# Altium PCB controller_V1.1.PcbDoc (part 5 of 7)
Units mil, origin at the board's own origin, x right, y up, seen from the top; angles counter-clockwise.
Board outline 9606 x 5905.51 mil, 2 copper layers (Top Layer, Bottom Layer); 439 components, 370 nets, 1496 pads, 8411 vias.
Unrouted connection lines stored in the file: 1.
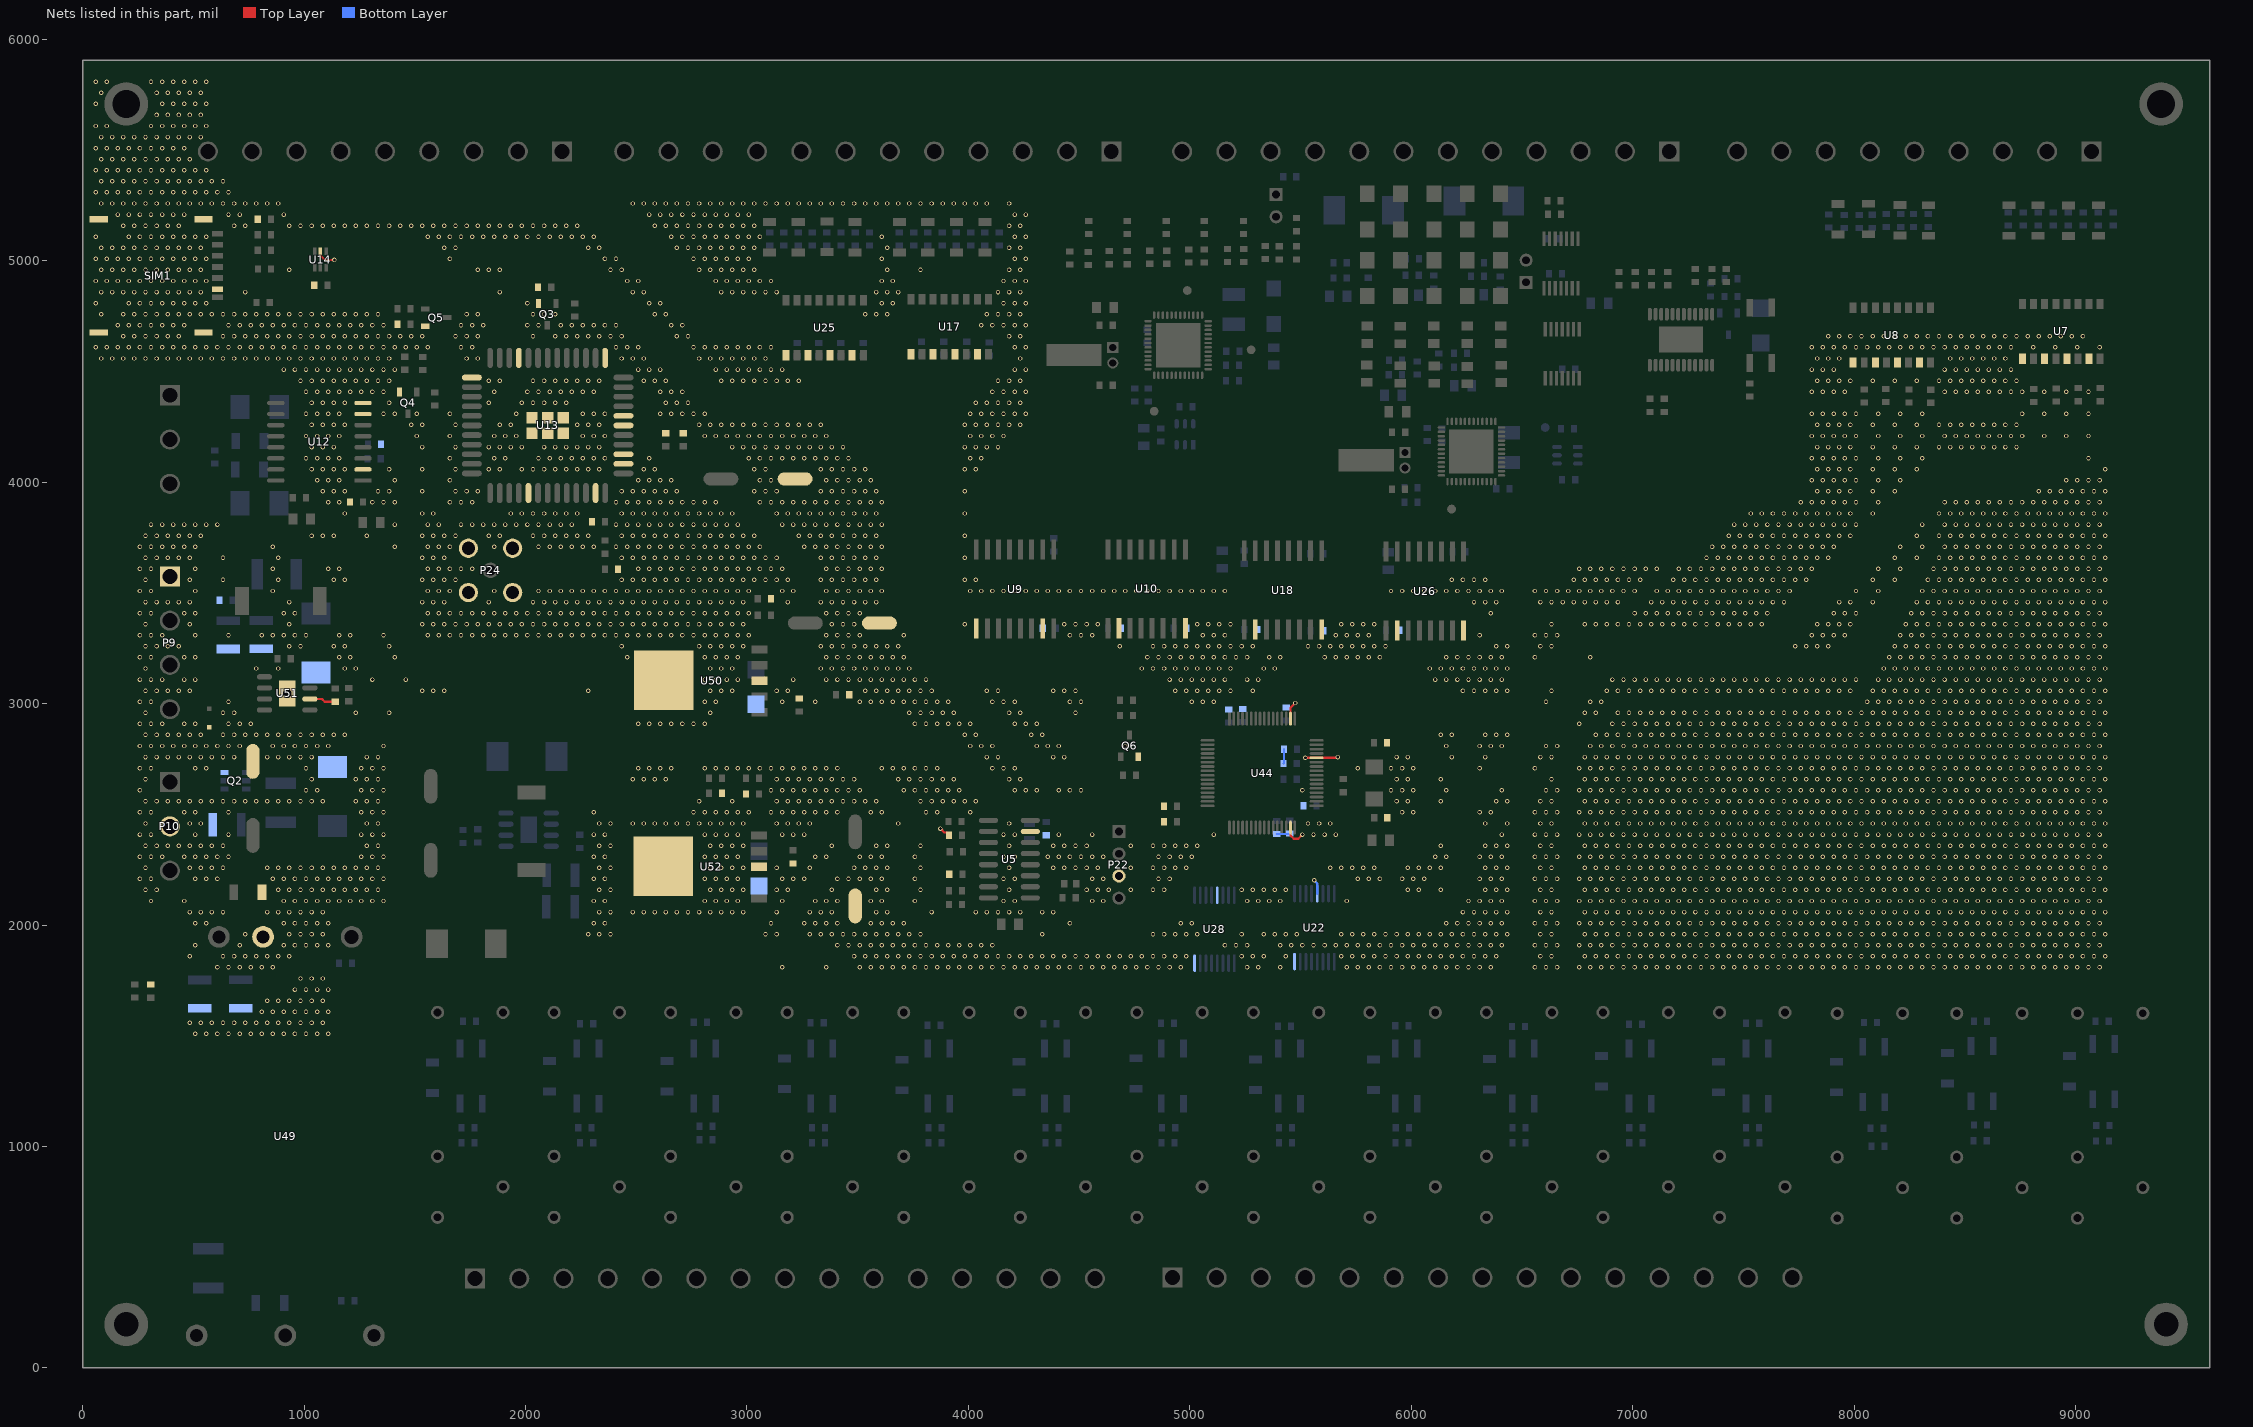
[diagram p5: the nets of this part, all layers, seen from the top]

## Via types
v1: diameter 20, hole 12, Top Layer to Bottom Layer, tented both sides, 8291 vias
v2: diameter 23.62, hole 11.81, Top Layer to Bottom Layer, 50 vias
v3: diameter 40, hole 25, Top Layer to Bottom Layer, tented both sides, 48 vias
v4: diameter 30, hole 20, Top Layer to Bottom Layer, tented both sides, 16 vias
v5: diameter 60, hole 40, Top Layer to Bottom Layer, tented both sides, 4 vias
v6: diameter 59.06, hole 39.37, Top Layer to Bottom Layer, 2 vias

## Nets (pads, with @x,y where several pads share a name; then routed paths per layer and width w, separated by ;. In a path a pad name is that pad's centre, name@x,y a point inside that pad or via, vN(x,y) a via of type N, cw(c..) or ccw(c..) an arc to the next point about the centre after c; other vN are vias at no path point) (continued)
GND: (continued)
  other v1: 508.75,1509 558.75,1509 608.75,1509 658.75,1509 708.75,1509 758.75,1509 808.75,1509 858.75,1509 908.75,1509 958.75,1509 1008.75,1509 1058.75,1509 1108.75,1509 483.75,1559 533.75,1559 583.75,1559 633.75,1559 683.75,1559 733.75,1559 783.75,1559 833.75,1559 883.75,1559 933.75,1559 983.75,1559 1033.75,1559 1083.75,1559 808.75,1609 858.75,1609 908.75,1609 958.75,1609 1008.75,1609 1058.75,1609 1108.75,1609 833.75,1659 883.75,1659 933.75,1659 983.75,1659 1033.75,1659 1083.75,1659 958.75,1709 1008.75,1709 1058.75,1709 1108.75,1709 983.75,1759 1033.75,1759 1083.75,1759 608.75,1809 658.75,1809 708.75,1809 758.75,1809 808.75,1809 858.75,1809 3158.75,1809 3358.75,1809 3508.75,1809 3558.75,1809 3608.75,1809 3658.75,1809 3708.75,1809 3758.75,1809 3808.75,1809 3858.75,1809 3908.75,1809 3958.75,1809 4008.75,1809 4058.75,1809 4108.75,1809 4158.75,1809 4208.75,1809 4258.75,1809 4308.75,1809 4358.75,1809 4408.75,1809 4458.75,1809 4508.75,1809 4558.75,1809 4608.75,1809 4658.75,1809 4708.75,1809 4758.75,1809 4808.75,1809 4858.75,1809 4908.75,1809 4958.75,1809 5258.75,1809 5308.75,1809 5408.75,1809 5708.75,1809 5758.75,1809 5808.75,1809 5858.75,1809 5908.75,1809 5958.75,1809 6008.75,1809 6058.75,1809 6108.75,1809 6158.75,1809 6208.75,1809 6258.75,1809 6308.75,1809 6358.75,1809 6558.75,1809 6608.75,1809 6658.75,1809 6758.75,1809 6808.75,1809 6858.75,1809 6908.75,1809 6958.75,1809 7008.75,1809 7058.75,1809 7108.75,1809 7158.75,1809 7208.75,1809 7258.75,1809 7308.75,1809 7358.75,1809 7408.75,1809 7458.75,1809 7508.75,1809 7558.75,1809 7608.75,1809 7658.75,1809 7708.75,1809 7758.75,1809 7808.75,1809 7858.75,1809 7908.75,1809 7958.75,1809 8008.75,1809 8058.75,1809 8108.75,1809 8158.75,1809 8208.75,1809 8258.75,1809 8308.75,1809 8358.75,1809 8408.75,1809 8458.75,1809 8508.75,1809 8558.75,1809 8608.75,1809 8658.75,1809 8708.75,1809 8758.75,1809 8808.75,1809 8858.75,1809 8908.75,1809 8958.75,1809 9008.75,1809 9058.75,1809 9108.75,1809 483.75,1859 633.75,1859 683.75,1859 733.75,1859 783.75,1859 833.75,1859 883.75,1859 933.75,1859 3483.75,1859 3533.75,1859 3583.75,1859 3633.75,1859 3683.75,1859 3733.75,1859 3783.75,1859 3833.75,1859 3883.75,1859 3933.75,1859 3983.75,1859 4033.75,1859 4083.75,1859 4133.75,1859 4183.75,1859 4233.75,1859 4283.75,1859 4333.75,1859 4383.75,1859 4433.75,1859 4483.75,1859 4533.75,1859 4583.75,1859 4633.75,1859 4683.75,1859 4733.75,1859 4783.75,1859 4833.75,1859 4883.75,1859 4933.75,1859 4983.75,1859 5233.75,1859 5283.75,1859 5333.75,1859 5433.75,1859 5683.75,1859 5733.75,1859 5783.75,1859 5833.75,1859 5883.75,1859 5933.75,1859 5983.75,1859 6033.75,1859 6083.75,1859 6133.75,1859 6183.75,1859 6233.75,1859 6283.75,1859 6333.75,1859 6383.75,1859 6583.75,1859 6633.75,1859 6783.75,1859 6833.75,1859 6883.75,1859 6933.75,1859 6983.75,1859 7033.75,1859 7083.75,1859 7133.75,1859 7183.75,1859 7233.75,1859 7283.75,1859 7333.75,1859 7383.75,1859 7433.75,1859 7483.75,1859 7533.75,1859 7583.75,1859 7633.75,1859 7683.75,1859 7733.75,1859 7783.75,1859 7833.75,1859 7883.75,1859 7933.75,1859 7983.75,1859 8033.75,1859 8083.75,1859 8133.75,1859 8183.75,1859 8233.75,1859 8283.75,1859 8333.75,1859 8383.75,1859 8433.75,1859 8483.75,1859 8533.75,1859 8583.75,1859 8633.75,1859 8683.75,1859 8733.75,1859 8783.75,1859 8833.75,1859 8883.75,1859 8933.75,1859 8983.75,1859 9033.75,1859 9083.75,1859 9133.75,1859 508.75,1909 708.75,1909 908.75,1909 958.75,1909 1008.75,1909 1058.75,1909 1108.75,1909 3408.75,1909 3458.75,1909 3508.75,1909 3558.75,1909 3608.75,1909 3658.75,1909 3708.75,1909 3758.75,1909 3808.75,1909 3858.75,1909 3908.75,1909 3958.75,1909 4008.75,1909 4058.75,1909 4108.75,1909 5158.75,1909 5208.75,1909 5258.75,1909 5408.75,1909 5458.75,1909 5508.75,1909 5558.75,1909 5608.75,1909 5658.75,1909 5708.75,1909 5758.75,1909 5808.75,1909 5858.75,1909 5908.75,1909 5958.75,1909 6008.75,1909 6058.75,1909 6108.75,1909 6158.75,1909 6208.75,1909 6258.75,1909 6308.75,1909 6358.75,1909 6408.75,1909 6558.75,1909 6608.75,1909 6658.75,1909 6758.75,1909 6808.75,1909 6858.75,1909 6908.75,1909 6958.75,1909 7008.75,1909 7058.75,1909 7108.75,1909 7158.75,1909 7208.75,1909 7258.75,1909 7308.75,1909 7358.75,1909 7408.75,1909 7458.75,1909 7508.75,1909 7558.75,1909 7608.75,1909 7658.75,1909 7708.75,1909 7758.75,1909 7808.75,1909 7858.75,1909 7908.75,1909 7958.75,1909 8008.75,1909 8058.75,1909 8108.75,1909 8158.75,1909 8208.75,1909 8258.75,1909 8308.75,1909 8358.75,1909 8408.75,1909 8458.75,1909 8508.75,1909 8558.75,1909 8608.75,1909 8658.75,1909 8708.75,1909 8758.75,1909 8808.75,1909 8858.75,1909 8908.75,1909 8958.75,1909 9008.75,1909 9058.75,1909 9108.75,1909 733.75,1959 933.75,1959 983.75,1959 1033.75,1959 1083.75,1959 2283.75,1959 2333.75,1959 2383.75,1959 3083.75,1959 3133.75,1959 3283.75,1959 3333.75,1959 3383.75,1959 3433.75,1959 3483.75,1959 3533.75,1959 3583.75,1959 3633.75,1959 3683.75,1959 3733.75,1959 3783.75,1959 4333.75,1959 4833.75,1959 4883.75,1959 4933.75,1959 4983.75,1959 5033.75,1959 5233.75,1959 5333.75,1959 5383.75,1959 5433.75,1959 5483.75,1959 5683.75,1959 5733.75,1959 5783.75,1959 5833.75,1959 5883.75,1959 5933.75,1959 5983.75,1959 6033.75,1959 6083.75,1959 6133.75,1959 6183.75,1959 6233.75,1959 6283.75,1959 6333.75,1959 6383.75,1959 6433.75,1959 6583.75,1959 6633.75,1959 6783.75,1959 6833.75,1959 6883.75,1959 6933.75,1959 6983.75,1959 7033.75,1959 7083.75,1959 7133.75,1959 7183.75,1959 7233.75,1959 7283.75,1959 7333.75,1959 7383.75,1959 7433.75,1959 7483.75,1959 7533.75,1959 7583.75,1959 7633.75,1959 7683.75,1959 7733.75,1959 7783.75,1959 7833.75,1959 7883.75,1959 7933.75,1959 7983.75,1959 8033.75,1959 8083.75,1959 8133.75,1959 8183.75,1959 8233.75,1959 8283.75,1959 8333.75,1959 8383.75,1959 8433.75,1959 8483.75,1959 8533.75,1959 8583.75,1959 8633.75,1959 8683.75,1959 8733.75,1959 8783.75,1959 8833.75,1959 8883.75,1959 8933.75,1959 8983.75,1959 9033.75,1959 9083.75,1959 9133.75,1959 508.75,2009 558.75,2009 908.75,2009 958.75,2009 1008.75,2009 1058.75,2009 1108.75,2009 2308.75,2009 2358.75,2009 3108.75,2009 3258.75,2009 3308.75,2009 3358.75,2009 3408.75,2009 3558.75,2009 3608.75,2009 3658.75,2009 3708.75,2009 4458.75,2009 4958.75,2009 5008.75,2009 6158.75,2009 6208.75,2009 6258.75,2009 6308.75,2009 6358.75,2009 6408.75,2009 6558.75,2009 6608.75,2009 6658.75,2009 6758.75,2009 6808.75,2009 6858.75,2009 6908.75,2009 6958.75,2009 7008.75,2009 7058.75,2009 7108.75,2009 7158.75,2009 7208.75,2009 7258.75,2009 7308.75,2009 7358.75,2009 7408.75,2009 7458.75,2009 7508.75,2009 7558.75,2009 7608.75,2009 7658.75,2009 7708.75,2009 7758.75,2009 7808.75,2009 7858.75,2009 7908.75,2009 7958.75,2009 8008.75,2009 8058.75,2009 8108.75,2009 8158.75,2009 8208.75,2009 8258.75,2009 8308.75,2009 8358.75,2009 8408.75,2009 8458.75,2009 8508.75,2009 8558.75,2009 8608.75,2009 8658.75,2009 8708.75,2009 8758.75,2009 8808.75,2009 8858.75,2009 8908.75,2009 8958.75,2009 9008.75,2009 9058.75,2009 9108.75,2009 483.75,2059 533.75,2059 583.75,2059 633.75,2059 833.75,2059 883.75,2059 933.75,2059 983.75,2059 1033.75,2059 1083.75,2059 2333.75,2059 2383.75,2059 2483.75,2059 2533.75,2059 2583.75,2059 2633.75,2059 2683.75,2059 2733.75,2059 2783.75,2059 2833.75,2059 2883.75,2059 2933.75,2059 2983.75,2059 3133.75,2059 3283.75,2059 3333.75,2059 3383.75,2059 3583.75,2059 3633.75,2059 3833.75,2059 4033.75,2059 4083.75,2059 4133.75,2059 4183.75,2059 4233.75,2059 4333.75,2059 4383.75,2059 6233.75,2059 6283.75,2059 6333.75,2059 6383.75,2059 6433.75,2059 6583.75,2059 6633.75,2059 6783.75,2059 6833.75,2059 6883.75,2059 6933.75,2059 6983.75,2059 7033.75,2059 7083.75,2059 7133.75,2059 7183.75,2059 7233.75,2059 7283.75,2059 7333.75,2059 7383.75,2059 7433.75,2059 7483.75,2059 7533.75,2059 7583.75,2059 7633.75,2059 7683.75,2059 7733.75,2059 7783.75,2059 7833.75,2059 7883.75,2059 7933.75,2059 7983.75,2059 8033.75,2059 8083.75,2059 8133.75,2059 8183.75,2059 8233.75,2059 8283.75,2059 8333.75,2059 8383.75,2059 8433.75,2059 8483.75,2059 8533.75,2059 8583.75,2059 8633.75,2059 8683.75,2059 8733.75,2059 8783.75,2059 8833.75,2059 8883.75,2059 8933.75,2059 8983.75,2059 9033.75,2059 9083.75,2059 9133.75,2059 308.75,2109 458.75,2109 908.75,2109 958.75,2109 1008.75,2109 1058.75,2109 1108.75,2109 1158.75,2109 1208.75,2109 1258.75,2109 1308.75,2109 1358.75,2109 2308.75,2109 2358.75,2109 2808.75,2109 2858.75,2109 2908.75,2109 2958.75,2109 3158.75,2109 3308.75,2109 3358.75,2109 3408.75,2109 3558.75,2109 3608.75,2109 3758.75,2109 4158.75,2109 4208.75,2109 4558.75,2109 4608.75,2109 5258.75,2109 5308.75,2109 5358.75,2109 5408.75,2109 5708.75,2109 6258.75,2109 6308.75,2109 6358.75,2109 6408.75,2109 6558.75,2109 6608.75,2109 6658.75,2109 6758.75,2109 6808.75,2109 6858.75,2109 6908.75,2109 6958.75,2109 7008.75,2109 7058.75,2109 7108.75,2109 7158.75,2109 7208.75,2109 7258.75,2109 7308.75,2109 7358.75,2109 7408.75,2109 7458.75,2109 7508.75,2109 7558.75,2109 7608.75,2109 7658.75,2109 7708.75,2109 7758.75,2109 7808.75,2109 7858.75,2109 7908.75,2109 7958.75,2109 8008.75,2109 8058.75,2109 8108.75,2109 8158.75,2109 8208.75,2109 8258.75,2109 8308.75,2109 8358.75,2109 8408.75,2109 8458.75,2109 8508.75,2109 8558.75,2109 8608.75,2109 8658.75,2109 8708.75,2109 8758.75,2109 8808.75,2109 8858.75,2109 8908.75,2109 8958.75,2109 9008.75,2109 9058.75,2109 9108.75,2109 283.75,2159 333.75,2159 883.75,2159 933.75,2159 983.75,2159 1033.75,2159 1083.75,2159 1133.75,2159 1183.75,2159 1233.75,2159 1283.75,2159 1333.75,2159 2333.75,2159 2383.75,2159 2833.75,2159 2883.75,2159 2933.75,2159 2983.75,2159 3133.75,2159 3183.75,2159 3383.75,2159 3583.75,2159 3633.75,2159 3783.75,2159 4183.75,2159 4533.75,2159 4583.75,2159 4633.75,2159 4733.75,2159 4833.75,2159 4883.75,2159 5233.75,2159 5283.75,2159 5333.75,2159 5383.75,2159 5433.75,2159 5983.75,2159 6033.75,2159 6133.75,2159 6333.75,2159 6383.75,2159 6433.75,2159 6583.75,2159 6633.75,2159 6783.75,2159 6833.75,2159 6883.75,2159 6933.75,2159 6983.75,2159 7033.75,2159 7083.75,2159 7133.75,2159 7183.75,2159 7233.75,2159 7283.75,2159 7333.75,2159 7383.75,2159 7433.75,2159 7483.75,2159 7533.75,2159 7583.75,2159 7633.75,2159 7683.75,2159 7733.75,2159 7783.75,2159 7833.75,2159 7883.75,2159 7933.75,2159 7983.75,2159 8033.75,2159 8083.75,2159 8133.75,2159 8183.75,2159 8233.75,2159 8283.75,2159 8333.75,2159 8383.75,2159 8433.75,2159 8483.75,2159 8533.75,2159 8583.75,2159 8633.75,2159 8683.75,2159 8733.75,2159 8783.75,2159 8833.75,2159 8883.75,2159 8933.75,2159 8983.75,2159 9033.75,2159 9083.75,2159 9133.75,2159 258.75,2209 308.75,2209 508.75,2209 558.75,2209 608.75,2209 858.75,2209 908.75,2209 958.75,2209 1008.75,2209 1058.75,2209 1108.75,2209 1158.75,2209 1208.75,2209 1258.75,2209 1308.75,2209 1358.75,2209 2308.75,2209 2358.75,2209 2808.75,2209 2858.75,2209 2908.75,2209 2958.75,2209 3158.75,2209 3208.75,2209 3258.75,2209 3408.75,2209 3458.75,2209 3508.75,2209 3558.75,2209 3608.75,2209 3758.75,2209 4158.75,2209 4208.75,2209 4558.75,2209 4608.75,2209 4858.75,2209 4908.75,2209 5758.75,2209 5808.75,2209 5858.75,2209 5958.75,2209 6008.75,2209 6058.75,2209 6308.75,2209 6358.75,2209 6408.75,2209 6558.75,2209 6608.75,2209 6658.75,2209 6758.75,2209 6808.75,2209 6858.75,2209 6908.75,2209 6958.75,2209 7008.75,2209 7058.75,2209 7108.75,2209 7158.75,2209 7208.75,2209 7258.75,2209 7308.75,2209 7358.75,2209 7408.75,2209 7458.75,2209 7508.75,2209 7558.75,2209 7608.75,2209 7658.75,2209 7708.75,2209 7758.75,2209 7808.75,2209 7858.75,2209 7908.75,2209 7958.75,2209 8008.75,2209 8058.75,2209 8108.75,2209 8158.75,2209 8208.75,2209 8258.75,2209 8308.75,2209 8358.75,2209 8408.75,2209 8458.75,2209 8508.75,2209 8558.75,2209 8608.75,2209 8658.75,2209 8708.75,2209 8758.75,2209 8808.75,2209 8858.75,2209 8908.75,2209 8958.75,2209 9008.75,2209 9058.75,2209 9108.75,2209 283.75,2259 483.75,2259 533.75,2259 583.75,2259 633.75,2259 833.75,2259 883.75,2259 933.75,2259 983.75,2259 1033.75,2259 1083.75,2259 1133.75,2259 1183.75,2259 1233.75,2259 1283.75,2259 1333.75,2259 2333.75,2259 2383.75,2259 2833.75,2259 2883.75,2259 2933.75,2259 2983.75,2259 3133.75,2259 3283.75,2259 3483.75,2259 3533.75,2259 3583.75,2259 3633.75,2259 3783.75,2259 4183.75,2259 4383.75,2259 4433.75,2259 4483.75,2259 4533.75,2259 4583.75,2259 4733.75,2259 4833.75,2259 4883.75,2259 4933.75,2259 4983.75,2259 5633.75,2259 5683.75,2259 5733.75,2259 5783.75,2259 5833.75,2259 5983.75,2259 6033.75,2259 6083.75,2259 6133.75,2259 6333.75,2259 6383.75,2259 6433.75,2259 6583.75,2259 6633.75,2259 6783.75,2259 6833.75,2259 6883.75,2259 6933.75,2259 6983.75,2259 7033.75,2259 7083.75,2259 7133.75,2259 7183.75,2259 7233.75,2259 7283.75,2259 7333.75,2259 7383.75,2259 7433.75,2259 7483.75,2259 7533.75,2259 7583.75,2259 7633.75,2259 7683.75,2259 7733.75,2259 7783.75,2259 7833.75,2259 7883.75,2259 7933.75,2259 7983.75,2259 8033.75,2259 8083.75,2259 8133.75,2259 8183.75,2259 8233.75,2259 8283.75,2259 8333.75,2259 8383.75,2259 8433.75,2259 8483.75,2259 8533.75,2259 8583.75,2259 8633.75,2259 8683.75,2259 8733.75,2259 8783.75,2259 8833.75,2259 8883.75,2259 8933.75,2259 8983.75,2259 9033.75,2259 9083.75,2259 9133.75,2259 258.75,2309 308.75,2309 358.75,2309 458.75,2309 508.75,2309 558.75,2309 608.75,2309 658.75,2309 1258.75,2309 1308.75,2309 1358.75,2309 2308.75,2309 2358.75,2309 2808.75,2309 2858.75,2309 2908.75,2309 2958.75,2309 3308.75,2309 3358.75,2309 3508.75,2309 3558.75,2309 3608.75,2309 3758.75,2309 4158.75,2309 4208.75,2309 4358.75,2309 4408.75,2309 4458.75,2309 4508.75,2309 4558.75,2309 4608.75,2309 4858.75,2309 4908.75,2309 4958.75,2309 5008.75,2309 6108.75,2309 6158.75,2309 6308.75,2309 6358.75,2309 6408.75,2309 6558.75,2309 6608.75,2309 6658.75,2309 6758.75,2309 6808.75,2309 6858.75,2309 6908.75,2309 6958.75,2309 7008.75,2309 7058.75,2309 7108.75,2309 7158.75,2309 7208.75,2309 7258.75,2309 7308.75,2309 7358.75,2309 7408.75,2309 7458.75,2309 7508.75,2309 7558.75,2309 7608.75,2309 7658.75,2309 7708.75,2309 7758.75,2309 7808.75,2309 7858.75,2309 7908.75,2309 7958.75,2309 8008.75,2309 8058.75,2309 8108.75,2309 8158.75,2309 8208.75,2309 8258.75,2309 8308.75,2309 8358.75,2309 8408.75,2309 8458.75,2309 8508.75,2309 8558.75,2309 8608.75,2309 8658.75,2309 8708.75,2309 8758.75,2309 8808.75,2309 8858.75,2309 8908.75,2309 8958.75,2309 9008.75,2309 9058.75,2309 9108.75,2309 283.75,2359 333.75,2359 383.75,2359 433.75,2359 483.75,2359 533.75,2359 583.75,2359 633.75,2359 1283.75,2359 1333.75,2359 2333.75,2359 2383.75,2359 2833.75,2359 2883.75,2359 2933.75,2359 2983.75,2359 3383.75,2359 3583.75,2359 3633.75,2359 3783.75,2359 4183.75,2359 4383.75,2359 4433.75,2359 4483.75,2359 4533.75,2359 4733.75,2359 4833.75,2359 4883.75,2359 4933.75,2359 4983.75,2359 5033.75,2359 6133.75,2359 6333.75,2359 6383.75,2359 6433.75,2359 6583.75,2359 6633.75,2359 6783.75,2359 6833.75,2359 6883.75,2359 6933.75,2359 6983.75,2359 7033.75,2359 7083.75,2359 7133.75,2359 7183.75,2359 7233.75,2359 7283.75,2359 7333.75,2359 7383.75,2359 7433.75,2359 7483.75,2359 7533.75,2359 7583.75,2359 7633.75,2359 7683.75,2359 7733.75,2359 7783.75,2359 7833.75,2359 7883.75,2359 7933.75,2359 7983.75,2359 8033.75,2359 8083.75,2359 8133.75,2359 8183.75,2359 8233.75,2359 8283.75,2359 8333.75,2359 8383.75,2359 8433.75,2359 8483.75,2359 8533.75,2359 8583.75,2359 8633.75,2359 8683.75,2359 8733.75,2359 8783.75,2359 8833.75,2359 8883.75,2359 8933.75,2359 8983.75,2359 9033.75,2359 9083.75,2359 9133.75,2359 258.75,2409 308.75,2409 508.75,2409 658.75,2409 1258.75,2409 1308.75,2409 1358.75,2409 2308.75,2409 2358.75,2409 2808.75,2409 2858.75,2409 2908.75,2409 2958.75,2409 3158.75,2409 3208.75,2409 3258.75,2409 4158.75,2409 4208.75,2409 4408.75,2409 4558.75,2409 5108.75,2409 5558.75,2409 5608.75,2409 5658.75,2409 6408.75,2409 6558.75,2409 6608.75,2409 6658.75,2409 6758.75,2409 6808.75,2409 6858.75,2409 6908.75,2409 6958.75,2409 7008.75,2409 7058.75,2409 7108.75,2409 7158.75,2409 7208.75,2409 7258.75,2409 7308.75,2409 7358.75,2409 7408.75,2409 7458.75,2409 7508.75,2409 7558.75,2409 7608.75,2409 7658.75,2409 7708.75,2409 7758.75,2409 7808.75,2409 7858.75,2409 7908.75,2409 7958.75,2409 8008.75,2409 8058.75,2409 8108.75,2409 8158.75,2409 8208.75,2409 8258.75,2409 8308.75,2409 8358.75,2409 8408.75,2409 8458.75,2409 8508.75,2409 8558.75,2409 8608.75,2409 8658.75,2409 8708.75,2409 8758.75,2409 8808.75,2409 8858.75,2409 8908.75,2409 8958.75,2409 9008.75,2409 9058.75,2409 9108.75,2409 283.75,2459 483.75,2459 533.75,2459 1283.75,2459 1333.75,2459 2333.75,2459 2383.75,2459 2483.75,2459 2533.75,2459 2583.75,2459 2633.75,2459 2683.75,2459 2733.75,2459 2783.75,2459 2833.75,2459 2883.75,2459 2933.75,2459 2983.75,2459 3133.75,2459 3183.75,2459 3233.75,2459 3283.75,2459 3683.75,2459 4183.75,2459 5533.75,2459 5583.75,2459 5633.75,2459 6333.75,2459 6433.75,2459 6583.75,2459 6633.75,2459 6783.75,2459 6833.75,2459 6883.75,2459 6933.75,2459 6983.75,2459 7033.75,2459 7083.75,2459 7133.75,2459 7183.75,2459 7233.75,2459 7283.75,2459 7333.75,2459 7383.75,2459 7433.75,2459 7483.75,2459 7533.75,2459 7583.75,2459 7633.75,2459 7683.75,2459 7733.75,2459 7783.75,2459 7833.75,2459 7883.75,2459 7933.75,2459 7983.75,2459 8033.75,2459 8083.75,2459 8133.75,2459 8183.75,2459 8233.75,2459 8283.75,2459 8333.75,2459 8383.75,2459 8433.75,2459 8483.75,2459 8533.75,2459 8583.75,2459 8633.75,2459 8683.75,2459 8733.75,2459 8783.75,2459 8833.75,2459 8883.75,2459 8933.75,2459 8983.75,2459 9033.75,2459 9083.75,2459 9133.75,2459 258.75,2509 308.75,2509 458.75,2509 508.75,2509 658.75,2509 1258.75,2509 1308.75,2509 1358.75,2509 2308.75,2509 2758.75,2509 2808.75,2509 2858.75,2509 2908.75,2509 2958.75,2509 3008.75,2509 3108.75,2509 3158.75,2509 3208.75,2509 3258.75,2509 3308.75,2509 3358.75,2509 3408.75,2509 3558.75,2509 3608.75,2509 3808.75,2509 3858.75,2509 4008.75,2509 5958.75,2509 6008.75,2509 6308.75,2509 6358.75,2509 6558.75,2509 6608.75,2509 6658.75,2509 6758.75,2509 6808.75,2509 6858.75,2509 6908.75,2509 6958.75,2509 7008.75,2509 7058.75,2509 7108.75,2509 7158.75,2509 7208.75,2509 7258.75,2509 7308.75,2509 7358.75,2509 7408.75,2509 7458.75,2509 7508.75,2509 7558.75,2509 7608.75,2509 7658.75,2509 7708.75,2509 7758.75,2509 7808.75,2509 7858.75,2509 7908.75,2509 7958.75,2509 8008.75,2509 8058.75,2509 8108.75,2509 8158.75,2509 8208.75,2509 8258.75,2509 8308.75,2509 8358.75,2509 8408.75,2509 8458.75,2509 8508.75,2509 8558.75,2509 8608.75,2509 8658.75,2509 8708.75,2509 8758.75,2509 8808.75,2509 8858.75,2509 8908.75,2509 8958.75,2509 9008.75,2509 9058.75,2509 9108.75,2509 283.75,2559 333.75,2559 383.75,2559 433.75,2559 483.75,2559 533.75,2559 583.75,2559 633.75,2559 683.75,2559 733.75,2559 783.75,2559 833.75,2559 883.75,2559 933.75,2559 983.75,2559 1033.75,2559 1083.75,2559 1233.75,2559 1283.75,2559 1333.75,2559 2783.75,2559 2933.75,2559 3133.75,2559 3183.75,2559 3233.75,2559 3283.75,2559 3333.75,2559 3383.75,2559 3433.75,2559 3483.75,2559 3533.75,2559 3583.75,2559 3783.75,2559 3833.75,2559 3883.75,2559 3933.75,2559 3983.75,2559 4033.75,2559 5933.75,2559 5983.75,2559 6133.75,2559 6383.75,2559 6433.75,2559 6583.75,2559 6633.75,2559 6783.75,2559 6833.75,2559 6883.75,2559 6933.75,2559 6983.75,2559 7033.75,2559 7083.75,2559 7133.75,2559 7183.75,2559 7233.75,2559 7283.75,2559 7333.75,2559 7383.75,2559 7433.75,2559 7483.75,2559 7533.75,2559 7583.75,2559 7633.75,2559 7683.75,2559 7733.75,2559 7783.75,2559 7833.75,2559 7883.75,2559 7933.75,2559 7983.75,2559 8033.75,2559 8083.75,2559 8133.75,2559 8183.75,2559 8233.75,2559 8283.75,2559 8333.75,2559 8383.75,2559 8433.75,2559 8483.75,2559 8533.75,2559 8583.75,2559 8633.75,2559 8683.75,2559 8733.75,2559 8783.75,2559 8833.75,2559 8883.75,2559 8933.75,2559 8983.75,2559 9033.75,2559 9083.75,2559 9133.75,2559 258.75,2609 1008.75,2609 1058.75,2609 1258.75,2609 1308.75,2609 1358.75,2609 3108.75,2609 3158.75,2609 3208.75,2609 3258.75,2609 3308.75,2609 3358.75,2609 3408.75,2609 3458.75,2609 3508.75,2609 3708.75,2609 3758.75,2609 3808.75,2609 3858.75,2609 3908.75,2609 3958.75,2609 4208.75,2609 4258.75,2609 4308.75,2609 4408.75,2609 4458.75,2609 4508.75,2609 5508.75,2609 5908.75,2609 5958.75,2609 6008.75,2609 6158.75,2609 6408.75,2609 6608.75,2609 6658.75,2609 6758.75,2609 6808.75,2609 